# KiCad board PCMTester4.0.kicad_pcb
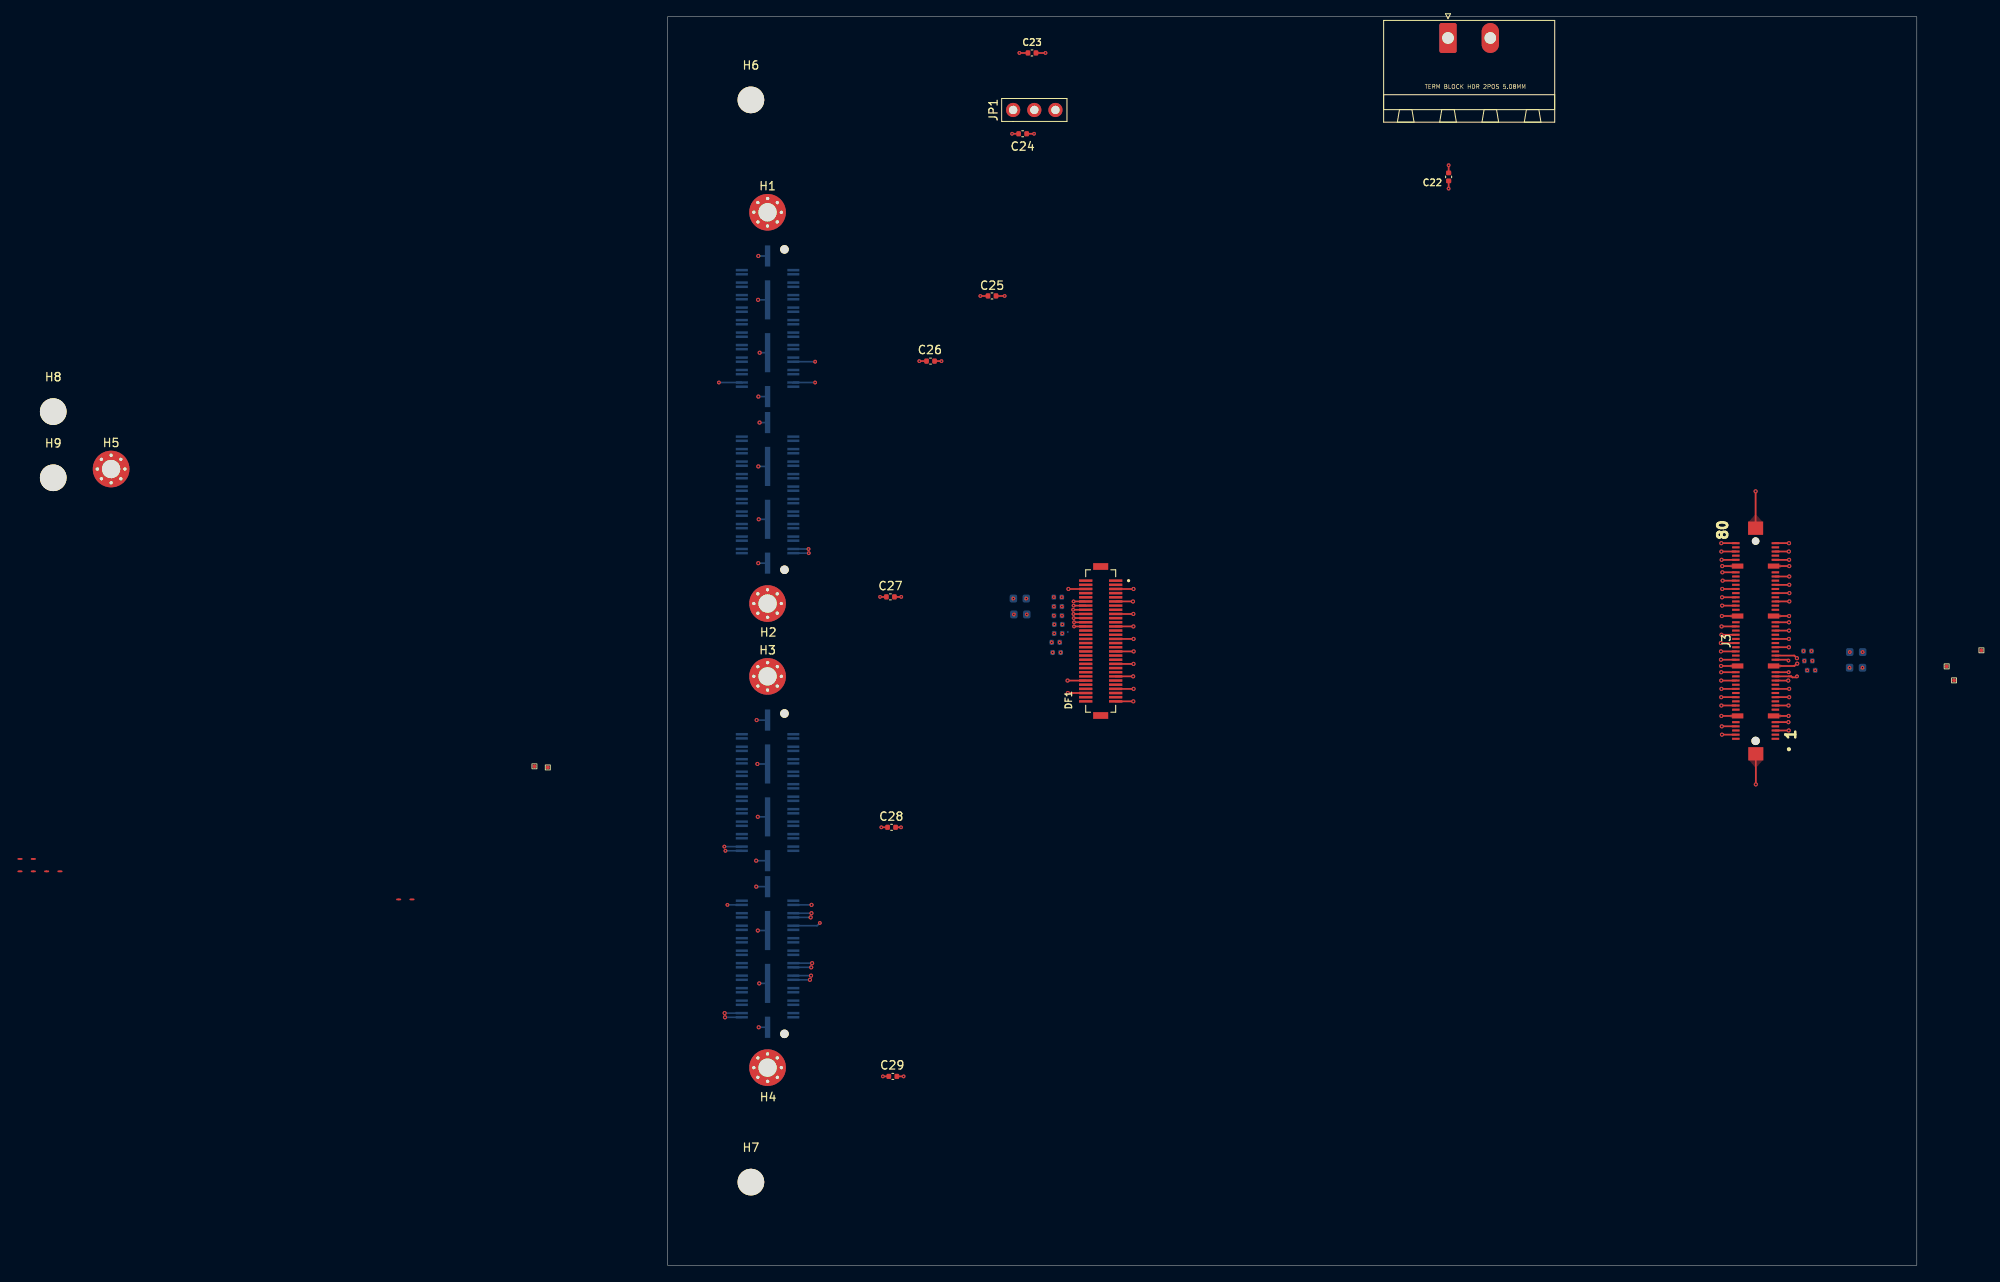
[diagram p0: board, top side]
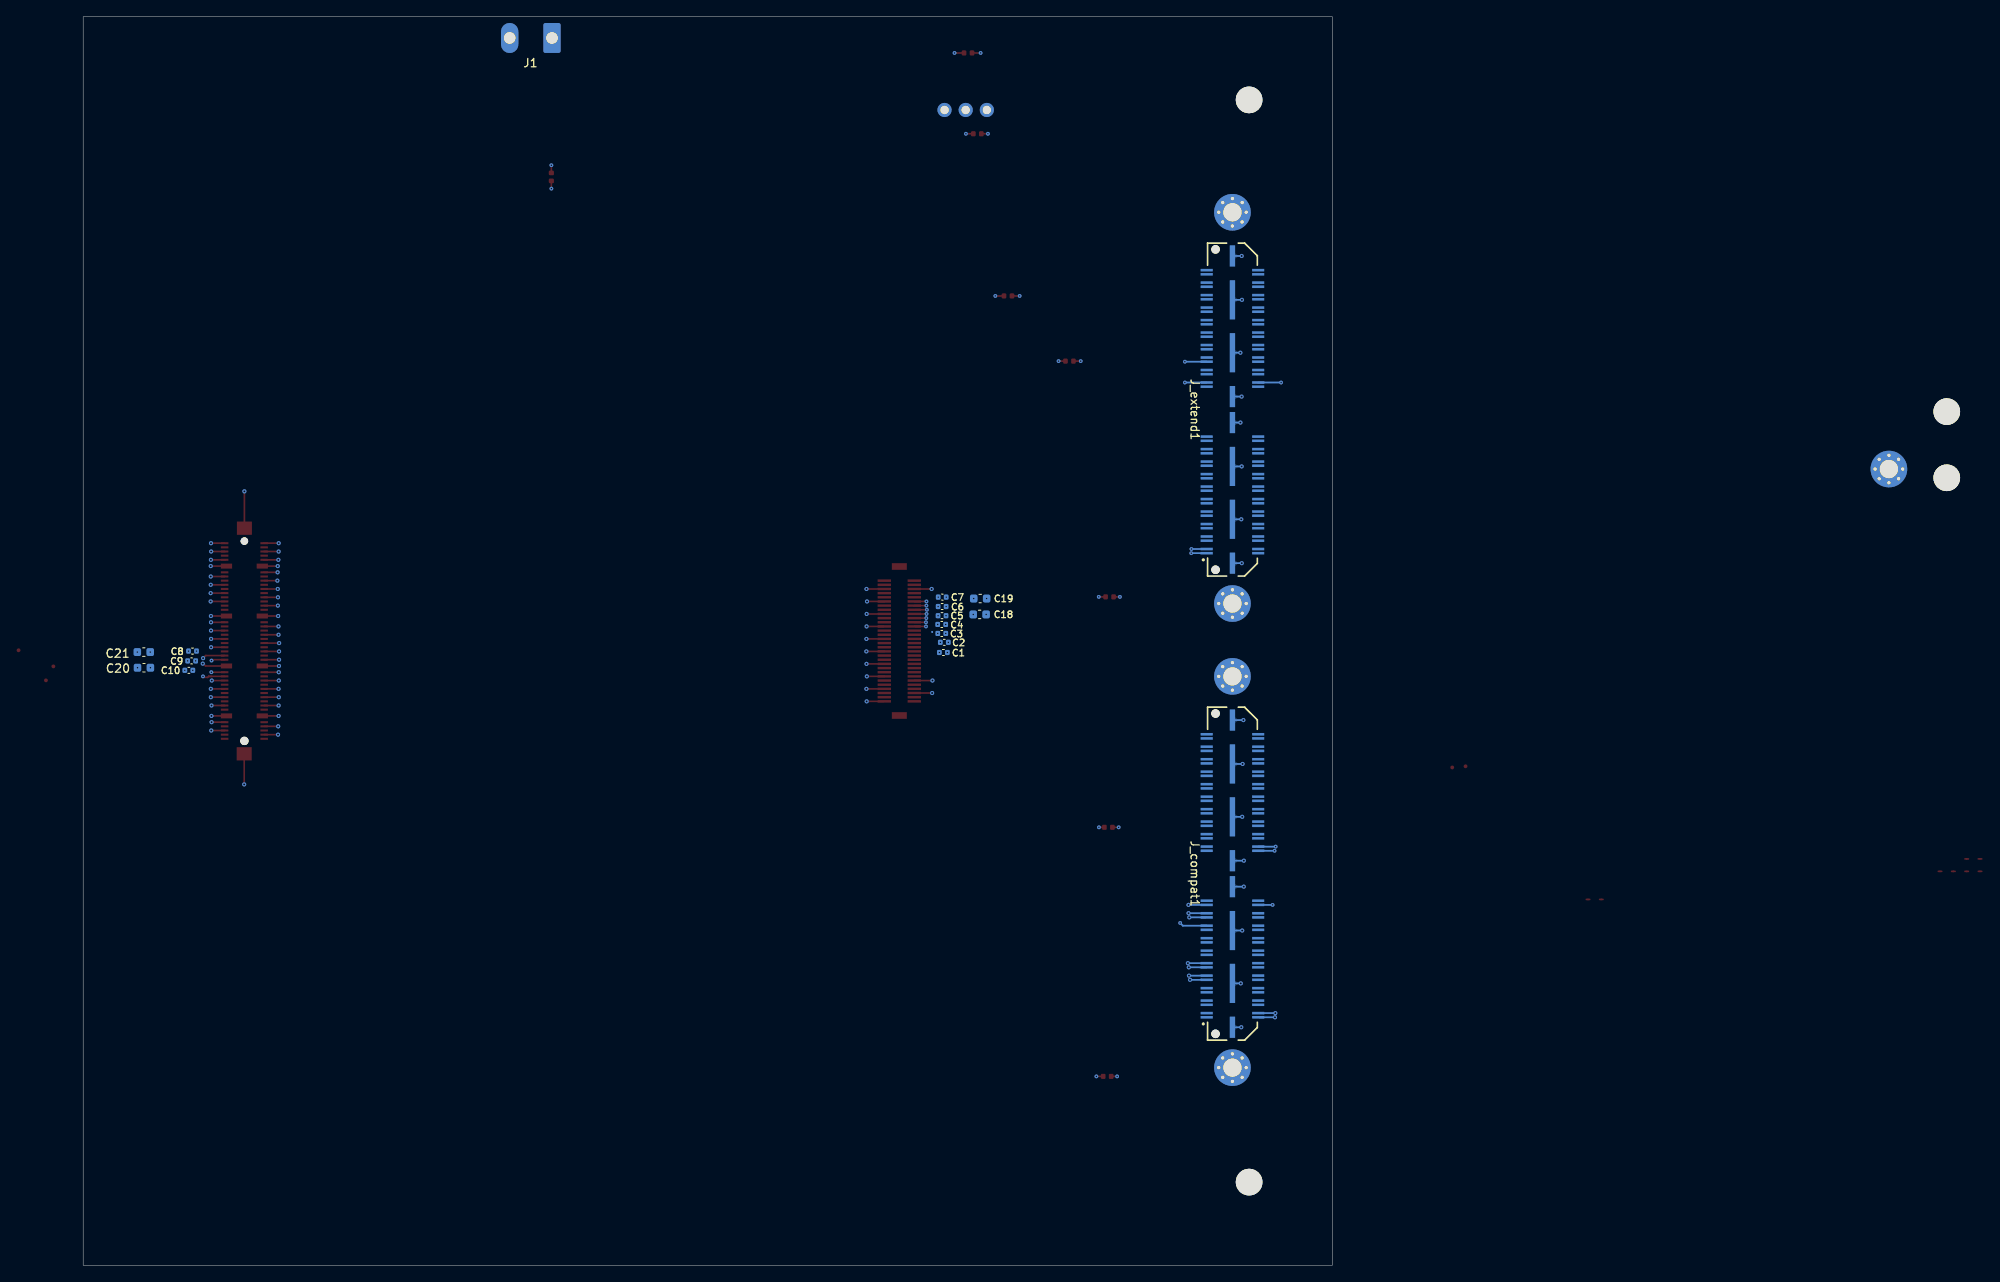
[diagram p1: board, bottom side, seen from below]

Outline 150 x 150 mm; copper layers: Top, GND.Cu (plane), PWR.Cu (plane), In3.Cu, In4.Cu, Bottom. Coordinates in mm from the lower left corner of the outline.
Outline path: rectangle 0,150 150,0
Stack: Top 0.035mm / dielectric 0.1mm FR4 er 4.5 / GND.Cu 0.035mm / dielectric 0.535mm FR4 er 4.5 / PWR.Cu 0.035mm / dielectric 0.1mm FR4 er 4.5 / In3.Cu 0.035mm / dielectric 0.535mm FR4 er 4.5 / In4.Cu 0.035mm / dielectric 0.1mm FR4 er 4.5 / Bottom 0.035mm

## Placement (name value [footprint] x y rotation side)
C1  470nF  [C_0402_1005Metric]  46.6 74.84 0 bottom  (not fitted)
C2  470nF  [C_0402_1005Metric]  46.9 75.91 0 bottom  (not fitted)
C3  470nF  [C_0402_1005Metric]  46.91 76.99 0 bottom  (not fitted)
C4  470nF  [C_0402_1005Metric]  46.87 78.04 0 bottom  (not fitted)
C5  470nF  [C_0402_1005Metric]  46.86 79.14 0 bottom  (not fitted)
C6  470nF  [C_0402_1005Metric]  46.85 80.27 0 bottom  (not fitted)
C7  470nF  [C_0402_1005Metric]  46.71 73.62 180 bottom  (not fitted)
C8  470nF  [C_0402_1005Metric]  136.87 73.79 180 bottom  (not fitted)
C9  470nF  [C_0402_1005Metric]  136.97 72.61 180 bottom  (not fitted)
C10  470nF  [C_0402_1005Metric]  137.31 71.48 180 bottom  (not fitted)
C18  4.7uF  [C_0603_1608Metric]  42.35 78.19 0 bottom  (not fitted)
C19  4.7uF  [C_0603_1608Metric]  42.29 80.1 180 bottom  (not fitted)
C20  4.7uF  [C_0603_1608Metric]  142.7 71.79 180 bottom  (not fitted)
C21  4.7uF  [C_0603_1608Metric]  142.72 73.67 180 bottom  (not fitted)
C22  470nF  [C_0402_1005Metric]  93.78 130.75 90 top  (not fitted)
C23  470nF  [C_0402_1005Metric]  43.75 145.64 180 top  (not fitted)
C24  470nF  [C_0402_1005Metric]  42.63 135.93 180 top  (not fitted)
C25  470nF  [C_0402_1005Metric]  38.95 116.45 180 top  (not fitted)
C26  470nF  [C_0402_1005Metric]  31.57 108.62 180 top  (not fitted)
C27  470nF  [C_0402_1005Metric]  26.75 80.3 180 top  (not fitted)
C28  470nF  [C_0402_1005Metric]  26.89 52.62 180 top  (not fitted)
C29  470nF  [C_0402_1005Metric]  27.04 22.7 180 top  (not fitted)
DF1  DF12 connector for HGCAL test boards for partial modules  [HRS_DF12NB-60DS-0.5V_51_]  52 75 90 top
H1  MountingHole_Pad  [MountingHole_2.2mm_M2_Pad_Via]  12 126.5 0 top
H2  MountingHole_Pad  [MountingHole_2.2mm_M2_Pad_Via]  12 79.5 0 top
H3  MountingHole_Pad  [MountingHole_2.2mm_M2_Pad_Via]  12 70.75 0 top
H4  MountingHole_Pad  [MountingHole_2.2mm_M2_Pad_Via]  12 23.75 0 top
H5  MountingHole_Pad  [MountingHole_2.2mm_M2_Pad_Via]  -66.82 95.66 0 top
H6  MountingHole  [MountingHole_3.2mm_M3]  10 140 0 top
H7  MountingHole  [MountingHole_3.2mm_M3]  10 10 0 top
H8  MountingHole  [MountingHole_3.2mm_M3]  -73.77 102.56 0 top
H9  MountingHole  [MountingHole_3.2mm_M3]  -73.77 94.61 0 top
J1  Phoenix MSTB 1x02 P5.08mm  [PhoenixContact_MSTB_2,5_2-GF-5,08_1x02_P5.08mm_Horizontal_ThreadedFlange]  93.71 147.44 0 top
J3  FX11A-80P8  [HIROSE_FX11A-80P-8-SV]  130.64 75 90 top
J_compat1  Samtec QTH-040  [SAMTEC_QTH-040-01-L-D-DP-A]  12 47.05 90 bottom
J_extend1  Samtec QTH-040  [SAMTEC_QTH-040-01-L-D-DP-A]  12 102.8 90 bottom
JP1  Jumper_3_Open  [PinHeader_1x03_P2.54mm_Vertical]  41.49 138.79 90 top
NT1  NetTie_2  [Net_Tie_via]  -77.77 48.82 0 top
NT2  NetTie_2  [Net_Tie_via]  -77.77 47.32 0 top
NT3  NetTie_2  [Net_Tie_via]  -76.16 48.82 0 top
NT4  NetTie_2  [Net_Tie_via]  -76.16 47.32 0 top
NT9  NetTie_2  [Net_Tie_via]  -32.3 43.95 0 top
NT10  NetTie_2  [Net_Tie_via]  -74.56 47.32 0 top
NT12  NetTie_2  [Net_Tie_via]  -30.7 43.95 0 top
NT56  NetTie_2  [Net_Tie_via]  -72.97 47.32 0 top
TP1  TestPoint_Alt  [TestPoint_Pad_0.46mm_diameter]  -15.99 59.95 0 top
TP2  TestPoint_Alt  [TestPoint_Pad_0.46mm_diameter]  -14.39 59.81 0 top
TP3  TestPoint_Alt  [TestPoint_Pad_0.46mm_diameter]  157.76 73.88 180 top
TP4  TestPoint_Alt  [TestPoint_Pad_0.46mm_diameter]  153.58 71.95 0 top
TP5  TestPoint_Alt  [TestPoint_Pad_0.46mm_diameter]  154.47 70.27 0 top

## Library data of the parts
C1-C10 C18-C29 = -: Description: Unpolarized capacitor; ki_fp_filters: C_*
DF1 = -: COMPONENT TYPE: Standard; MANUFACTURER: HIROSE; MANUFACTURER PART NUMBER: DF12NB(3.5)-60DP-0.5V; MOUNTED: Yes; PART DESCRIPTION: 60 Contacts, Pitch 0.5mm, Surface Mount Board to Board Plug, DF12N Series; PRESSFIT: No; SMD: Yes; PART NUMBER: DF12NB(3.5)-60DP-0.5V; ki_fp_filters: *HRS_DF12NB-60DS-0.5V(51)*
H1-H5 = -: Description: Mounting Hole with connection; ki_fp_filters: MountingHole*Pad*
H6-H9 = -: Description: Mounting Hole without connection; ki_fp_filters: MountingHole*
J1 = -: Description: TERM BLOCK HDR 2POS 5.08MM; MANUFACTURER: Phoenix Contact; PARTREV: 1924088; Manufacturer: Phoenix Contact; Part Number: 1924088; MPN: 1924088; ki_fp_filters: TerminalBlock*:*
J3 = -: Description: CONN HDR 80POS SMD GOLD; Manufacturer: Hirose Electric Co Ltd; Series: FX11(L)A; Part Number: FX11A-80P/8-SV(71); MPN: FX11A-80P/8-SV(71); ki_fp_filters: *HIROSE_FX11A-80P-8-SV*
J_compat1 J_extend1 = -: Description: CONN DIFF ARRAY PLG 80P SMD GOLD; Manufacturer: Samtec Inc.; Part Number: QTH-040-01-L-D-DP-A; MPN: QTH-040-01-L-D-DP-A; ki_fp_filters: *SAMTEC_QTH-040-01-L-D-DP-A*
JP1 = -: Description: PIN HEADER 2.54MM PITCH STR,1X3P; Manufacturer: Amphenol ICC (Commercial Products); Part Number: G800W305018EU; MPN: G800W305018EU; ki_fp_filters: Jumper* TestPoint*3Pads* TestPoint*Bridge*
NT1-NT4 NT9 NT10 NT12 NT56 = -: Description: Net tie, 2 pins; ki_fp_filters: Net*Tie*
TP1-TP5 = -: Description: test point (alternative shape); ki_fp_filters: Pin* Test*

## Footprints (pads in the part's own frame, mm; a bottom-side part is the same pattern mirrored in y, then rotated)
C_0402_1005Metric
  rrect 0.56x0.62 smd: 1(-0.48,0) 2(0.48,0)
C_0603_1608Metric
  rrect 0.9x0.95 smd: 1(-0.775,0) 2(0.775,0)
HIROSE_FX11A-80P-8-SV
  round 1 hole 1 unplated: (-12,0)
  round 0.9 hole 0.9 unplated: (12,0)
  rect 0.25x0.9 smd: 1(-11.75,-2.375) 2(-11.75,2.375) 3(-11.25,-2.375) 4(-11.25,2.375) 5(-10.75,-2.375) 6(-10.75,2.375) 7(-10.25,-2.375) 8(-10.25,2.375) 9(-9.75,-2.375) 10(-9.75,2.375) 11(-8.25,-2.375) 12(-8.25,2.375) 13(-7.75,-2.375) 14(-7.75,2.375) 15(-7.25,-2.375) 16(-7.25,2.375) 17(-6.75,-2.375) 18(-6.75,2.375) 19(-6.25,-2.375) 20(-6.25,2.375) 21(-5.75,-2.375) 22(-5.75,2.375) 23(-5.25,-2.375) 24(-5.25,2.375) 25(-4.75,-2.375) 26(-4.75,2.375) 27(-4.25,-2.375) 28(-4.25,2.375) 29(-3.75,-2.375) 30(-3.75,2.375) 31(-2.25,-2.375) 32(-2.25,2.375) 33(-1.75,-2.375) 34(-1.75,2.375) 35(-1.25,-2.375) 36(-1.25,2.375) 37(-0.75,-2.375) 38(-0.75,2.375) 39(-0.25,-2.375) 40(-0.25,2.375) 41(0.25,-2.375) 42(0.25,2.375) 43(0.75,-2.375) 44(0.75,2.375) 45(1.25,-2.375) 46(1.25,2.375) 47(1.75,-2.375) 48(1.75,2.375) 49(2.25,-2.375) 50(2.25,2.375) 51(3.75,-2.375) 52(3.75,2.375) 53(4.25,-2.375) 54(4.25,2.375) 55(4.75,-2.375) 56(4.75,2.375) 57(5.25,-2.375) 58(5.25,2.375) 59(5.75,-2.375) 60(5.75,2.375) 61(6.25,-2.375) 62(6.25,2.375) 63(6.75,-2.375) 64(6.75,2.375) 65(7.25,-2.375) 66(7.25,2.375) 67(7.75,-2.375) 68(7.75,2.375) 69(8.25,-2.375) 70(8.25,2.375) 71(9.75,-2.375) 72(9.75,2.375) 73(10.25,-2.375) 74(10.25,2.375) 75(10.75,-2.375) 76(10.75,2.375) 77(11.25,-2.375) 78(11.25,2.375) 79(11.75,-2.375) 80(11.75,2.375)
  rect 0.6x1.35 smd: 81(9,-2.15) 82(3,-2.15) 83(-3,-2.15) 84(-9,-2.15) 85(-9,2.15) 86(-3,2.15) 87(3,2.15) 88(9,2.15)
  rect 1.6x1.8 smd: GND1(-13.55,-0.025) GND2(13.55,0)
HRS_DF12NB-60DS-0.5V_51_
  rect 0.3x1.6 smd: 1(7.25,-1.8) 2(7.25,1.8) 3(6.75,-1.8) 4(6.75,1.8) 5(6.25,-1.8) 6(6.25,1.8) 7(5.75,-1.8) 8(5.75,1.8) 9(5.25,-1.8) 10(5.25,1.8) 11(4.75,-1.8) 12(4.75,1.8) 13(4.25,-1.8) 14(4.25,1.8) 15(3.75,-1.8) 16(3.75,1.8) 17(3.25,-1.8) 18(3.25,1.8) 19(2.75,-1.8) 20(2.75,1.8) 21(2.25,-1.8) 22(2.25,1.8) 23(1.75,-1.8) 24(1.75,1.8) 25(1.25,-1.8) 26(1.25,1.8) 27(0.75,-1.8) 28(0.75,1.8) 29(0.25,-1.8) 30(0.25,1.8) 31(-0.25,-1.8) 32(-0.25,1.8) 33(-0.75,-1.8) 34(-0.75,1.8) 35(-1.25,-1.8) 36(-1.25,1.8) 37(-1.75,-1.8) 38(-1.75,1.8) 39(-2.25,-1.8) 40(-2.25,1.8) 41(-2.75,-1.8) 42(-2.75,1.8) 43(-3.25,-1.8) 44(-3.25,1.8) 45(-3.75,-1.8) 46(-3.75,1.8) 47(-4.25,-1.8) 48(-4.25,1.8) 49(-4.75,-1.8) 50(-4.75,1.8) 51(-5.25,-1.8) 52(-5.25,1.8) 53(-5.75,-1.8) 54(-5.75,1.8) 55(-6.25,-1.8) 56(-6.25,1.8) 57(-6.75,-1.8) 58(-6.75,1.8) 59(-7.25,-1.8) 60(-7.25,1.8)
  rect 0.8x1.8 smd: S1(8.95,0) S2(-8.95,0)
MountingHole_2.2mm_M2_Pad_Via
  round 0.7 hole 0.4: 1(-1.65,0) 1(-1.167,1.167) 1(-1.167,-1.167) 1(0,1.65) 1(0,-1.65) 1(1.167,1.167) 1(1.167,-1.167) 1(1.65,0)
  round 4.4 hole 2.2: 1(0,0)
MountingHole_3.2mm_M3
  round 3.2 hole 3.2 unplated: (0,0)
Net_Tie_via
  rrect 0.4x0.2 smd: 1(-0.2,0) 2(0.2,0)
PhoenixContact_MSTB_2,5_2-GF-5,08_1x02_P5.08mm_Horizontal_ThreadedFlange
  rrect 2.08x3.6 hole 1.4: 1(0,0)
  oval 2.08x3.6 hole 1.4: 2(5.08,0)
PinHeader_1x03_P2.54mm_Vertical
  round 1.7 hole 1: 1(0,0) 2(0,-2.54) 3(0,-5.08)
SAMTEC_QTH-040-01-L-D-DP-A
  round 1.02 hole 1.02 unplated: (-19.24,2.03) (19.24,2.03)
  rect 0.3x1.45 smd: 1(-17.25,3.09) 2(-17.25,-3.09) 3(-16.75,3.09) 4(-16.75,-3.09) 5(-15.75,3.09) 6(-15.75,-3.09) 7(-15.25,3.09) 8(-15.25,-3.09) 9(-14.25,3.09) 10(-14.25,-3.09) 11(-13.75,3.09) 12(-13.75,-3.09) 13(-12.75,3.09) 14(-12.75,-3.09) 15(-12.25,3.09) 16(-12.25,-3.09) 17(-11.25,3.09) 18(-11.25,-3.09) 19(-10.75,3.09) 20(-10.75,-3.09) 21(-9.75,3.09) 22(-9.75,-3.09) 23(-9.25,3.09) 24(-9.25,-3.09) 25(-8.25,3.09) 26(-8.25,-3.09) 27(-7.75,3.09) 28(-7.75,-3.09) 29(-6.75,3.09) 30(-6.75,-3.09) 31(-6.25,3.09) 32(-6.25,-3.09) 33(-5.25,3.09) 34(-5.25,-3.09) 35(-4.75,3.09) 36(-4.75,-3.09) 37(-3.75,3.09) 38(-3.75,-3.09) 39(-3.25,3.09) 40(-3.25,-3.09) 41(2.75,3.09) 42(2.75,-3.09) 43(3.25,3.09) 44(3.25,-3.09) 45(4.25,3.09) 46(4.25,-3.09) 47(4.75,3.09) 48(4.75,-3.09) 49(5.75,3.09) 50(5.75,-3.09) 51(6.25,3.09) 52(6.25,-3.09) 53(7.25,3.09) 54(7.25,-3.09) 55(7.75,3.09) 56(7.75,-3.09) 57(8.75,3.09) 58(8.75,-3.09) 59(9.25,3.09) 60(9.25,-3.09) 61(10.25,3.09) 62(10.25,-3.09) 63(10.75,3.09) 64(10.75,-3.09) 65(11.75,3.09) 66(11.75,-3.09) 67(12.25,3.09) 68(12.25,-3.09) 69(13.25,3.09) 70(13.25,-3.09) 71(13.75,3.09) 72(13.75,-3.09) 73(14.75,3.09) 74(14.75,-3.09) 75(15.25,3.09) 76(15.25,-3.09) 77(16.25,3.09) 78(16.25,-3.09) 79(16.75,3.09) 80(16.75,-3.09)
  rect 2.54x0.64 smd: G1(-18.45,0) G4(-1.56,0) G5(1.56,0) G6(18.45,0)
  rect 4.7x0.64 smd: G2(-13.18,0) G3(-6.83,0) G7(6.83,0) G8(13.18,0)
TestPoint_Pad_0.46mm_diameter
  round 0.46 smd: 1(0,0)

## Nets
/VDD: C1.1 C2.1 C3.1 C4.1 C5.1 C6.1 C7.1 C8.1 C9.1 C10.1 C18.1 C19.1 C20.1 C21.1 C22.1 C24.1 C25.1 C26.1 C27.1 C28.1 C29.1 DF1.12 DF1.14 DF1.16 DF1.18 DF1.20 DF1.22 DF1.24 J3.27 J3.29 J3.31 JP1.2
GND: C1.2 C2.2 C3.2 C4.2 C5.2 C6.2 C7.2 C8.2 C9.2 C10.2 C18.2 C19.2 C20.2 C21.2 DF1.5 DF1.6 DF1.11 DF1.17 DF1.23 DF1.29 DF1.35 DF1.41 DF1.47 DF1.50 DF1.53 DF1.56 DF1.59 H1.1 H2.1 H3.1 H4.1 H5.1 J1.2 J3.4 J3.5 J3.8 J3.9 J3.13 J3.14 J3.17 J3.18 J3.21 J3.22 J3.25 J3.26 J3.30 J3.32 J3.33 J3.36 J3.37 J3.40 J3.41 J3.44 J3.45 J3.48 J3.49 J3.54 J3.55 J3.58 J3.59 J3.62 J3.63 J3.66 J3.67 J3.70 J3.71 J3.72 J3.75 J3.76 J3.79 J3.80 J3.81 J3.82 J3.83 J3.84 J3.85 J3.86 J3.87 J3.88 J3.GND1 J3.GND2 J_compat1.2 J_compat1.4 J_compat1.13 J_compat1.15 J_compat1.17 J_compat1.19 J_compat1.33 J_compat1.35 J_compat1.37 J_compat1.G1 J_compat1.G2 J_compat1.G3 J_compat1.G4 J_compat1.G5 J_compat1.G6 J_compat1.G7 J_compat1.G8 J_extend1.G1 J_extend1.G2 J_extend1.G3 J_extend1.G4 J_extend1.G5 J_extend1.G6 J_extend1.G7 J_extend1.G8
/CM connectors/BM28_HGCROC_RE_HB: J3.52
/CM connectors/BM28_I2C_SCL: J3.12
/CM connectors/BM28_I2C_SDA: J3.16
/CM connectors/BM28_PG_LDO: J3.60
/CM connectors/BM28_PROBE_DC: J3.65
/CM connectors/BM28_PWR_EN_LDL: J3.64
/CM connectors/BM28_RTD: J3.69
/CM connectors/BM28_RTD_REF: J3.73
/CM connectors/BM28_S1_HGCROC_RE_SB: J3.46
/CM connectors/BM28_S2_HGCROC_RE_SB: J3.50
/CM connectors/BM28_VMON_LVS: J3.68
/CM connectors/CLK320_IN_N: J3.39
/CM connectors/CLK320_IN_P: J3.35
/CM connectors/DERR2: TP3.1
/CM connectors/ECON_D_DAQ_OUT_N: J3.7
/CM connectors/ECON_D_DAQ_OUT_P: J3.3
/CM connectors/ECON_D_ERROR_B: J3.20
/CM connectors/ECON_D_RESET_B: J3.24
/CM connectors/ECON_D_SOFT_RESET_B: J3.34
/CM connectors/ECON_RE_HB: NT10.2 TP2.1
/CM connectors/ECON_T_RESET_B: J3.28
/CM connectors/ECON_T_SOFT_RESET_B: J3.38
/CM connectors/ECON_T_TRIG_OUT_0_N: J3.15
/CM connectors/ECON_T_TRIG_OUT_0_P: J3.11
/CM connectors/ECON_T_TRIG_OUT_1_N: J3.23
/CM connectors/ECON_T_TRIG_OUT_1_P: J3.19
/CM connectors/ECOND_RE_SB: NT56.2
/CM connectors/ECONT_RE_SB: NT4.2 TP1.1
/CM connectors/FCMD_IN_N: J3.47
/CM connectors/FCMD_IN_P: J3.43
/CM connectors/HGCROC_RE_HB: DF1.32
/CM connectors/MGND: J3.77
/CM connectors/PG_LDO: DF1.34
/CM connectors/PWR_EN_LDO: DF1.38
/CM connectors/RTD: DF1.46
/CM connectors/RTD_REF: DF1.48
/CM connectors/S1_CLK320_N: DF1.45
/CM connectors/S1_CLK320_P: DF1.43
/CM connectors/S1_DAQ_X0_N: DF1.57
/CM connectors/S1_DAQ_X0_P: DF1.55
/CM connectors/S1_DAQ_X1_N: DF1.37
/CM connectors/S1_DAQ_X1_P: DF1.39
/CM connectors/S1_ERR: DF1.44
/CM connectors/S1_FCMD_N: DF1.51
/CM connectors/S1_FCMD_P: DF1.49
/CM connectors/S1_HGCROC_RE_SB: DF1.40
/CM connectors/S1_PROBE_DC: DF1.42
/CM connectors/S1_TRIG_0_N: DF1.58
/CM connectors/S1_TRIG_0_P: DF1.60
/CM connectors/S1_TRIG_1_N: DF1.52
/CM connectors/S1_TRIG_1_P: DF1.54
/CM connectors/S1_TRIG_2_N: DF1.31
/CM connectors/S1_TRIG_2_P: DF1.33
/CM connectors/S1_TRIG_3_N: DF1.25
/CM connectors/S1_TRIG_3_P: DF1.27
/CM connectors/S2_CLK320_N: DF1.3
/CM connectors/S2_CLK320_P: DF1.1
/CM connectors/S2_DAQ_X0_N: DF1.15
/CM connectors/S2_DAQ_X0_P: DF1.13
/CM connectors/S2_ERR: DF1.26
/CM connectors/S2_FCMD_N: DF1.9
/CM connectors/S2_FCMD_P: DF1.7
/CM connectors/S2_HGCROC_RE_SB: DF1.30
/CM connectors/S2_PROBE_DC: DF1.28
/CM connectors/S2_TRIG_0_N: DF1.21
/CM connectors/S2_TRIG_0_P: DF1.19
/CM connectors/S2_TRIG_1_N: DF1.4
/CM connectors/S2_TRIG_1_P: DF1.2
/CM connectors/SCL: DF1.8 J_compat1.50 TP4.1
/CM connectors/SDA: DF1.10 J_compat1.52 TP5.1
/CM connectors/TEST_0_N: J3.61
/CM connectors/TEST_0_P: J3.57
/CM connectors/TEST_IO: J3.56
/CM connectors/VMON_LVS: DF1.36
/CM_VDD: C23.2 C24.2 C25.2 C26.2 C27.2 C28.2 C29.2 J_compat1.31 J_compat1.38 J_compat1.42 J_compat1.44 J_extend1.1 J_extend1.3 J_extend1.43 J_extend1.44 J_extend1.49 JP1.1
/EXT_1V2: C22.2 C23.1 J1.1 JP1.3
/Kria controller connectors/HS00N: J_extend1.12
/Kria controller connectors/HS00P: J_extend1.10
/Kria controller connectors/HS01N: J_extend1.68
/Kria controller connectors/HS01P: J_extend1.66
/Kria controller connectors/HS02N: J_extend1.64
/Kria controller connectors/HS02P: J_extend1.62
/Kria controller connectors/HS03N: J_compat1.59
/Kria controller connectors/HS03P: J_compat1.57
/Kria controller connectors/HS04N: J_compat1.55
/Kria controller connectors/HS04P: J_compat1.53
/Kria controller connectors/HS06N: J_compat1.63
/Kria controller connectors/HS06P: J_compat1.61
/Kria controller connectors/HS07N: J_compat1.64
/Kria controller connectors/HS07P: J_compat1.62
/Kria controller connectors/HS08N: J_compat1.71
/Kria controller connectors/HS08P: J_compat1.69
/Kria controller connectors/HS09N: J_compat1.75
/Kria controller connectors/HS09P: J_compat1.73
/Kria controller connectors/HS10N: J_extend1.31
/Kria controller connectors/HS10P: J_extend1.29
/Kria controller connectors/HS11N: J_extend1.32
/Kria controller connectors/HS11P: J_extend1.30
/Kria controller connectors/HS12N: J_extend1.16
/Kria controller connectors/HS12P: J_extend1.14
/Kria controller connectors/HS13N: J_extend1.23
/Kria controller connectors/HS13P: J_extend1.21
/Kria controller connectors/HS14N: J_extend1.36
/Kria controller connectors/HS14P: J_extend1.34
/Kria controller connectors/HS15N: J_extend1.35
/Kria controller connectors/HS15P: J_extend1.33
/Kria controller connectors/HS16N: J_extend1.28
/Kria controller connectors/HS16P: J_extend1.26
/Kria controller connectors/HS17N: J_extend1.27
/Kria controller connectors/HS17P: J_extend1.25
/Kria controller connectors/HS18N: J_compat1.79
/Kria controller connectors/HS18P: J_compat1.77
/Kria controller connectors/HS19N: J_extend1.8
/Kria controller connectors/HS19P: J_extend1.6
/Kria controller connectors/HS20N: J_compat1.67
/Kria controller connectors/HS20P: J_compat1.65
/Kria controller connectors/HS21N: J_compat1.68
/Kria controller connectors/HS21P: J_compat1.66
/Kria controller connectors/HS22N: J_compat1.60
/Kria controller connectors/HS22P: J_compat1.58
/Kria controller connectors/HS23N: J_compat1.43
/Kria controller connectors/HS23P: J_compat1.41
/Kria controller connectors/HS24N: J_compat1.51
/Kria controller connectors/HS24P: J_compat1.49
/Kria controller connectors/HS25N: J_extend1.4
/Kria controller connectors/HS25P: J_extend1.2
/Kria controller connectors/HS26N: J_extend1.24
/Kria controller connectors/HS26P: J_extend1.22
/Kria controller connectors/HS27N: J_compat1.47
/Kria controller connectors/HS27P: J_compat1.45
/Kria controller connectors/HS28N: J_compat1.56
/Kria controller connectors/HS28P: J_compat1.54
/Kria controller connectors/HS29N: J_extend1.67
/Kria controller connectors/HS29P: J_extend1.65
/Kria controller connectors/misc0: J_extend1.47 NT3.1
/Kria controller connectors/misc1: J_extend1.45 NT12.1
/Kria controller connectors/misc2: J_extend1.41 NT9.1
/Kria controller connectors/misc3: J_compat1.29 NT56.1
/Kria controller connectors/misc4: J_extend1.78 NT4.1
/Kria controller connectors/misc5: J_extend1.77 NT1.1
/Kria controller connectors/misc6: J_extend1.80 NT10.1
/Kria controller connectors/misc7: J_extend1.61 NT2.1
/Map/DERR0: NT9.2
/Map/DERR1: NT12.2
/Map/DERR2: NT3.2
/Map/DERR3: NT2.2
/Map/DERR4: NT1.2

Pads without a net: DF1 S1 S2; J3 1 2 6 10 42 51 53 74 78; J_compat1 1 3 5 6 7 8 9 10 11 12 14 16 18 20 21 22 23 24 25 26 27 28 30 32 34 36 39 40 46 48 70 72 74 76 78 80; J_extend1 5 7 9 11 13 15 17 18 19 20 37 38 39 40 42 46 48 50 51 52 53 54 55 56 57 58 59 60 63 69 70 71 72 73 74 75 76 79

## Via types
v1: diameter 0.5, hole 0.25, Top to Bottom, 86 vias
v2: diameter 0.46, hole 0.2, Top to Bottom, 63 vias

## Routing (per net, layer and track width the routed paths; a pad name or vN(x,y) marks a point on that pad's centre or on a via; arc(x,y) is an arc through that point)
/VDD: length 22.4
  Top w0.2: v2(134.61,71.25) J3.29 ; v2(134.59,72.65) 134.59,72.68 134.52,72.75 ; DF1.18 v2(48.73,78.25) ; C24.1 v2(44,135.93) ; C26.1 v2(32.88,108.62) ; DF1.12 v2(48.74,79.75) ; v2(135.61,70.75) 135.49,70.63 135.05,70.63 134.93,70.75 ; C25.1 v2(40.47,116.45) ; 134.93,70.75 134.58,70.75 ; 134.93,70.75 J3.27 ; 134.52,72.75 134.5,72.75 ; 134.52,72.75 J3.31 ; DF1.16 v2(48.69,78.75) ; DF1.20 v2(48.76,77.75) ; C27.1 v2(28.05,80.3) ; DF1.24 v2(48.8,76.75) ; DF1.22 v2(48.8,77.25) ; C22.1 v2(93.78,129.34) ; DF1.14 v2(48.75,79.25) ; C28.1 v2(28.03,52.62) ; C29.1 v2(28.34,22.7)
  vias: v2(41.57,78.19) v2(43.06,80.1) v2(46.12,74.84) v2(46.37,80.27) v2(46.38,79.14) v2(46.39,78.04) v2(46.42,75.91) v2(46.43,76.99) v2(47.19,73.62) v2(137.35,73.79) v2(137.45,72.61) v2(137.79,71.48) v2(143.49,73.67) v2(143.47,71.79)
GND: length 154
  Top w0.2: J3.87 v1(126.59,78) ; J3.18 v1(126.51,68.25) ; J3.80 v1(126.52,86.75) ; J3.21 v1(134.67,69.25) ; J3.79 v1(134.65,86.75) ; J3.13 v1(134.59,67.25) ; DF1.6 v1(48.12,81.25) ; J3.88 v1(126.63,84) ; J3.75 v1(134.63,85.75) ; DF1.59 v1(55.92,67.75) ; J3.71 v1(134.66,84.75) ; v1(134.56,70.25) J3.25 ; DF1.56 v1(48.06,68.75) ; J3.59 v1(134.69,80.75) ; v1(135.6,72.94) 135.29,73.25 J3.33 ; DF1.50 v1(48.02,70.25) ; DF1.47 v1(55.9,70.75) ; J3.85 v1(126.53,66) ; J3.41 v1(134.64,75.25) ; J3.8 v1(126.58,64.75) ; J3.48 v1(126.55,76.75) ; J3.37 v1(134.64,74.25) ; J3.4 v1(126.6,63.75) ; J3.GND1 v1(130.66,57.77) ; J3.45 v1(134.65,76.25) ; J3.44 v1(126.54,75.75) ; J3.83 135.3,72 135.58,72.28 v1(135.64,72.28) ; J3.84 v1(134.6,66) ; J3.82 v1(134.66,78) ; J3.49 v1(134.65,77.25) ; J3.14 v1(126.53,67.25) ; J3.36 v1(126.48,73.75) ; DF1.11 v1(55.88,79.75) ; J3.67 v1(134.68,82.75) ; J3.66 v1(126.68,82.25) 126.67,82.26 ; J3.70 v1(126.65,83.25) ; DF1.41 v1(55.94,72.25) ; DF1.5 v1(55.94,81.25) ; J3.26 v1(126.51,70.25) ; DF1.23 v1(55.93,76.75) ; J3.32 v1(126.48,72.75) ; J3.GND2 v1(130.64,92.98) ; J3.55 v1(134.69,79.75) ; J3.54 v1(126.62,79.25) ; DF1.17 v1(55.92,78.25) ; J3.17 v1(134.67,68.25) ; J3.72 v1(126.56,84.75) ; DF1.29 v1(55.95,75.25) ; DF1.35 v1(55.96,73.75) ; J3.62 v1(126.63,81.25) ; J3.22 v1(126.54,69.25) ; J3.40 v1(126.47,74.75) ; J3.81 v1(134.68,84) ; J3.9 v1(134.58,65.25) ; J3.58 v1(126.61,80.25) ; J3.63 v1(134.68,81.75) ; DF1.53 v1(55.95,69.25) ; J3.5 v1(134.62,64.25) ; J3.76 v1(126.53,85.75) ; J3.86 v1(126.49,72) ; J3.30 v1(126.51,71.25)
  Bottom w0.2: J_compat1.35 v1(17.27,42.3) ; J_compat1.G8 v1(10.78,60.23) ; J_compat1.4 v1(6.85,30.3) ; J_compat1.G5 v1(10.63,48.61) ; J_compat1.17 v1(17.24,35.8) ; J_compat1.G1 v1(10.94,28.6) ; J_extend1.G7 v1(11.05,109.63) ; J_compat1.G6 v1(10.69,65.5) ; 48.05,76.09 48.04,76.08 ; J_compat1.G3 v1(10.83,40.22) ; J_extend1.G5 v1(10.9,104.36) ; J_compat1.13 v1(17.09,34.3) ; J_compat1.33 v1(17.18,41.8) ; J_extend1.G6 v1(10.89,121.25) ; J_extend1.G2 v1(10.94,89.62) ; J_compat1.G2 v1(11,33.87) ; J_extend1.G8 v1(10.86,115.98) ; J_compat1.19 v1(17.35,36.3) ; J_extend1.G4 v1(11.04,101.24) ; J_compat1.G7 v1(10.83,53.88) ; J_compat1.15 v1(17.22,34.8) ; J_extend1.G3 v1(10.89,95.97) ; J_compat1.G4 v1(10.64,45.49) ; J_extend1.G1 v1(10.88,84.35) ; J_compat1.2 v1(6.89,29.8) ; J_compat1.37 v1(17.28,43.3)
  vias: v2(41.51,80.1) v2(43.12,78.19) v2(46.23,73.62) v2(47.08,74.84) v2(47.33,80.27) v2(47.34,79.14) v2(47.35,78.04) v2(47.39,76.99) v2(47.38,75.91) v2(136.39,73.79) v2(136.49,72.61) v2(136.83,71.48) v2(141.95,73.67) v2(141.92,71.79)
/CM_VDD: length 26.6
  Top w0.2: C23.2 v2(42.24,145.64) ; C29.2 v2(25.85,22.7) ; C27.2 v2(25.51,80.3) ; C26.2 v2(30.22,108.62) ; C24.2 v2(41.36,135.93) ; C25.2 v2(37.55,116.45) ; C28.2 v2(25.66,52.62)
  Bottom w0.2: J_extend1.3 v2(16.92,86.05) ; v2(18.28,41.13) 17.95,40.8 J_compat1.31 ; J_extend1.43 v2(17.71,106.05) ; J_compat1.44 v2(6.81,50.3) ; J_compat1.38 v2(7.18,43.3) ; J_compat1.42 v2(6.94,49.8) ; J_extend1.44 v2(6.16,106.05) ; J_extend1.1 v2(16.95,85.55) ; J_extend1.49 v2(17.71,108.55)
/EXT_1V2: length 2.1
  Top w0.2: C22.2 v2(93.78,132.15) ; C23.1 v2(45.37,145.64)

## Copper pours and planes (outline as drawn; the poured copper is in the pictures)
/VDD on PWR.Cu: 45.31,140.84 45.39,131.09 150,130.95 150,0 27.51,0 27,102.89 43.56,121.62 42.68,140.84
GND on GND.Cu: 0,150 150,150 150,0 0,0
/CM_VDD on PWR.Cu: 43.99,150 44.03,140.84 42.68,140.84 43.56,121.62 27,102.89 27.51,0 0,0 0,150
/EXT_1V2 on PWR.Cu: 43.99,150 44.03,140.84 45.31,140.84 45.39,131.09 150,130.95 150,150

Small or netless copper shapes (teardrops, artwork), in the pictures only: 51 on Top, 34 on Bottom

## Text on the board
B.Fab: 470nF | 4.7uF
F.Fab: 470nF
